# Altium PCB RemoteCtrl-V2.PcbDoc (part 1 of 4) (continued)
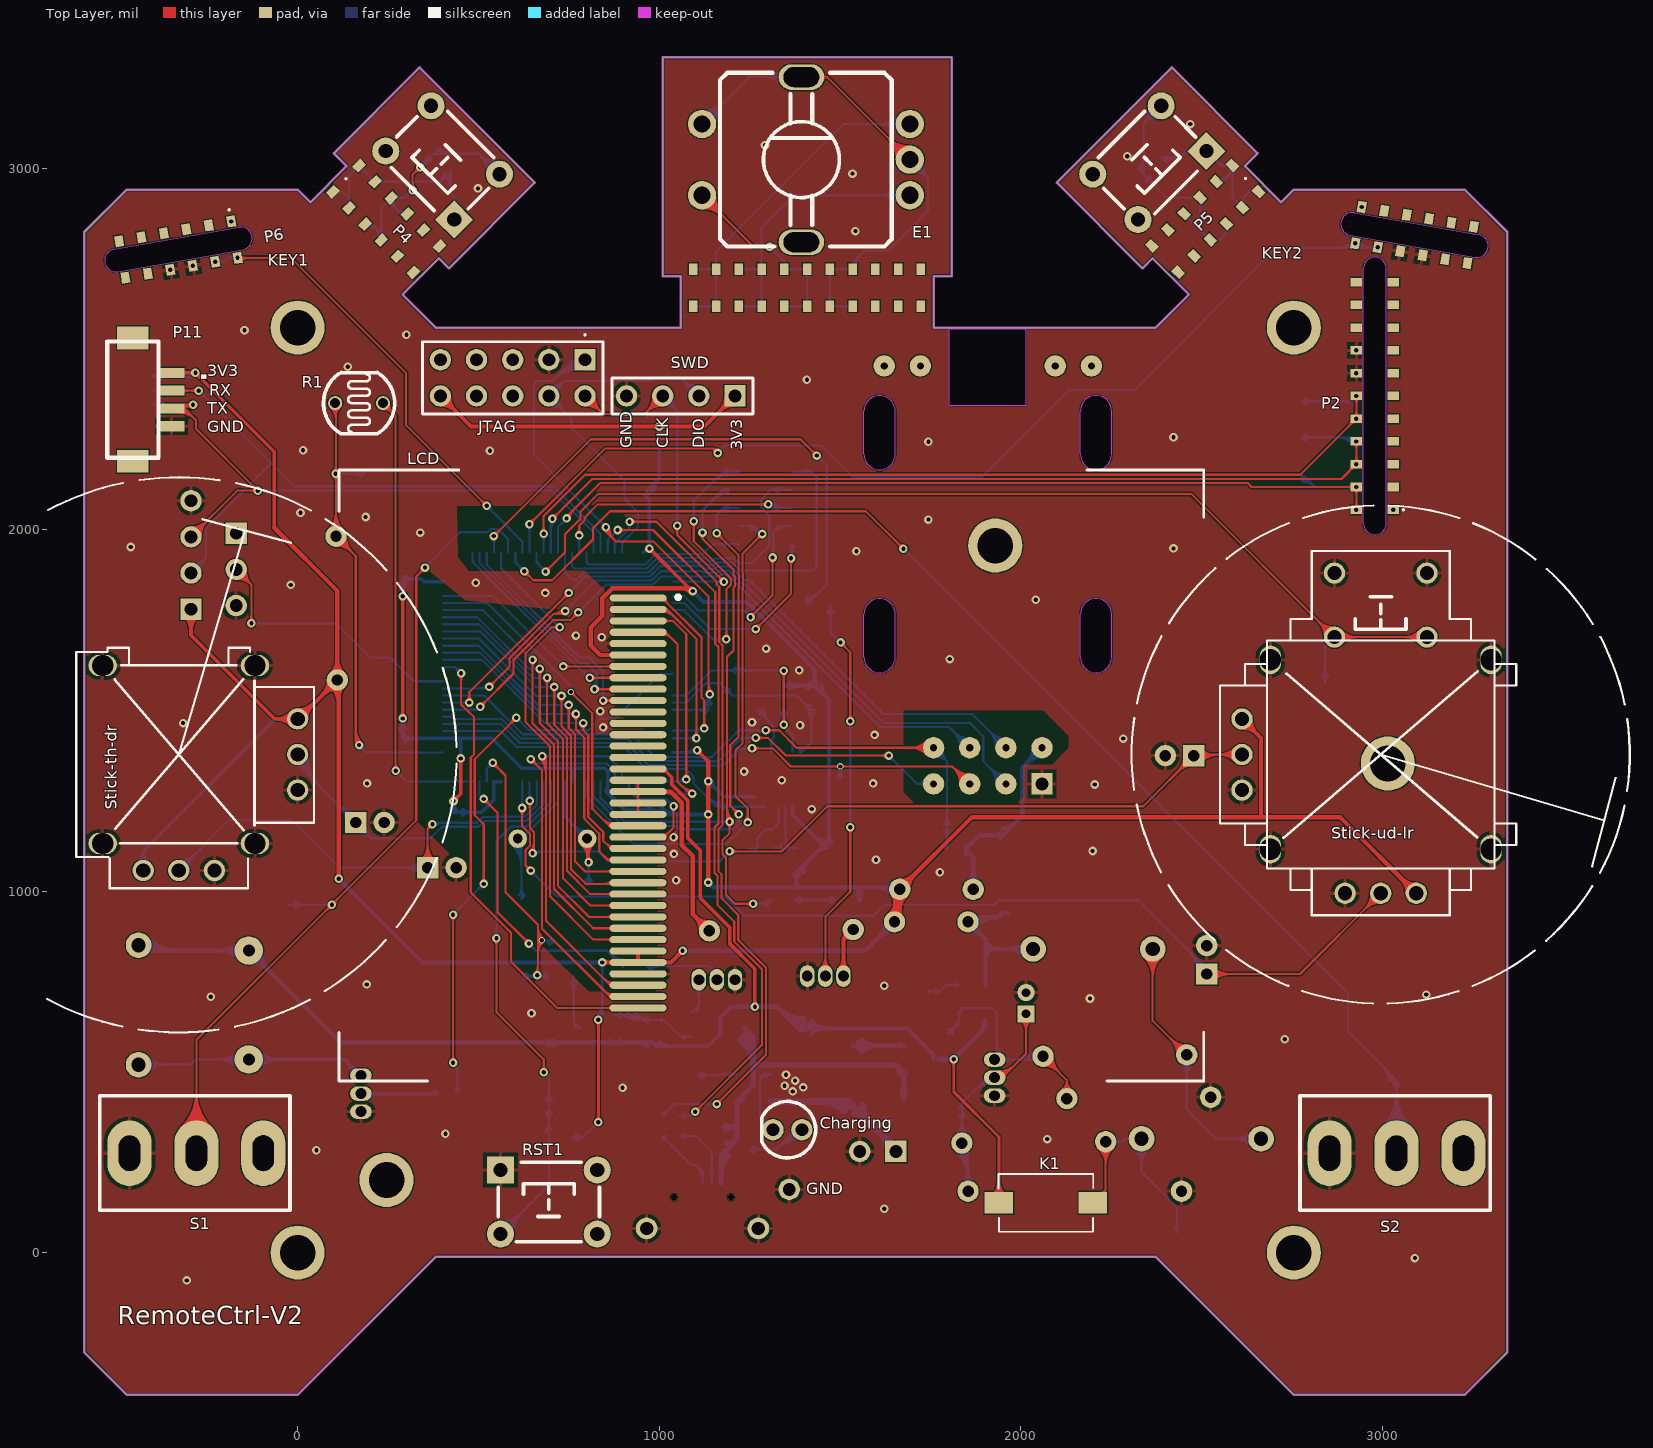
[diagram p0: Top Layer view]
## Footprints (in the part's own frame and the unit in brackets; to place one, negate y for a bottom-side part, rotate by r counter-clockwise, add the part's x,y. Pads: shape width x height; smd on the part's side, far side on the other; paste and mask are expansions set on the pad) (continued)
  round 1 hole 0.7: 1(-1.68,0) 2(1.68,0)
  silkscreen extent -2.5,-2.16 2.5,2.16, body extent -2.63,-2.1 2.47,2.2, height 1.21
PIN1*1 [mm]
  round 1.5 hole 0.9: 1(0,0)
PIN3*1 [mm]
  rect 1.5x1.5 hole 0.9: 1(0,0)
  round 1.5 hole 0.9: 2(2.54,0) 3(5.08,0)
  silkscreen extent -1.27,-1.27 6.12,1.27, body extent -1.27,-1.27 6.1,1.27, height 4
PIN4*1 [mm]
  rect 1.5x1.5 hole 0.9: 1(0,0)
  round 1.5 hole 0.9: 2(2.54,0) 3(5.08,0) 4(7.62,0)
  silkscreen extent -1.27,-1.27 8.64,1.27, body extent -1.27,-1.27 8.64,1.27, height 4
PIN-HDR-2X5 [mm] "Connector; Header; 5x2 Position"
  rect 1.5x1.5 hole 0.9: 1(0,0)
  round 1.5 hole 0.9: 2(0,2.54) 3(2.54,0) 4(2.54,2.54) 5(5.08,0) 6(5.08,2.54) 7(7.62,0) 8(7.62,2.54) 9(10.16,0) 10(10.16,2.54)
  silkscreen extent -1.27,-1.81 11.43,3.81, body extent -1.27,-1.27 11.43,3.81, height 7.58
PIN-SLOT-FMALE-2X6 [mm] "SLOT:1.6x9mm pinDis1.6mm,和PIN-SLOT-MALE-2X6成90度直插"
  rect 0.6x0.8 hole 0.3: 1(-4,-1.3)
  rect 0.6x0.8 all layers, no hole: 2(-4,1.3) 3(-2.4,-1.3) 4(-2.4,1.3) 5(-0.8,-1.3) 6(-0.8,1.3) 7(0.8,-1.3) 8(0.8,1.3) 9(2.4,-1.3) 10(2.4,1.3) 11(4,-1.3) 12(4,1.3)
  rrect50% 1x1 hole 1.6 slot 10.5 at 0 deg unplated: SLOT(0,0)
  Keep-Out Layer lines w0.004: 4.45,-0.8 ccw(c4.45,0) 4.45,0.8 -4.45,0.8 ccw(c-4.45,0) -4.45,-0.8 4.45,-0.8
  silkscreen extent -4.06,-2.18 -3.94,-2.07, body extent -4.19,-1.65 -3.81,-1.02, height 0.02
PIN-SLOT-FMALE-2X11 [mm] "SLOT:1.6x9mm pinDis1.6mm;和PIN-SLOT-MALE-2X11成90度直插"
  rect 0.6x0.8 hole 0.3: 1(-8,-1.3)
  rect 0.6x0.8 all layers, no hole: 2(-8,1.3) 3(-6.4,-1.3) 4(-6.4,1.3) 5(-4.8,-1.3) 6(-4.8,1.3) 7(-3.2,-1.3) 8(-3.2,1.3) 9(-1.6,-1.3) 10(-1.6,1.3) 11(0,-1.3) 12(0,1.3) 13(1.6,-1.3) 14(1.6,1.3) 15(3.2,-1.3) 16(3.2,1.3) 17(4.8,-1.3) 18(4.8,1.3) 19(6.4,-1.3) 20(6.4,1.3) 21(8,-1.3) 22(8,1.3)
  rrect50% 0x0 hole 1.6 slot 19.5 at 0 deg unplated: SLOT(0,0)
  Keep-Out Layer lines w0.004: -8.95,0.8 ccw(c-8.95,0) -8.95,-0.8 8.95,-0.8 ccw(c8.95,0) 8.95,0.8 -8.95,0.8
  silkscreen extent -8.05,-2.05 -7.95,-1.95, body extent -8.25,-1.65 -7.75,-1.02, height 0.02
PIN-SLOT-MALE-2X6 [mm] "SLOT:1.6x9mm pinDis1.6mm;和PIN-SLOT-FMALE-2X6成90度直插"
  rect 0.6x0.8 smd: 1(-4,1.3) 1(-4,-1.3) 3(-2.4,1.3) 3(-2.4,-1.3) 5(-0.8,1.3) 5(-0.8,-1.3) 7(0.8,1.3) 7(0.8,-1.3) 9(2.4,1.3) 9(2.4,-1.3) 11(4,1.3) 11(4,-1.3)
  rect 0.6x0.8 smd far side: 2(-4,1.3) 2(-4,-1.3) 4(-2.4,-1.3) 4(-2.4,1.3) 6(-0.8,1.3) 6(-0.8,-1.3) 8(0.8,1.3) 8(0.8,-1.3) 10(2.4,1.3) 10(2.4,-1.3) 12(4,1.3) 12(4,-1.3)
  silkscreen extent -4.05,-0.05 -3.95,0.05, body extent -4.19,-1.65 -3.81,-1.02, height 0.05
PIN-SLOT-MALE-2x11 [mm] "SLOT:1.6x18mm pinDis1.6mm;和PIN-SLOT-FMALE-2X11成90度直插"
  rect 0.6x0.8 smd: 1(-8,-1.3) 1(-8,1.3) 3(-6.4,-1.3) 3(-6.4,1.3) 5(-4.8,-1.3) 5(-4.8,1.3) 7(-3.2,-1.3) 7(-3.2,1.3) 9(-1.6,-1.3) 9(-1.6,1.3) 11(0,-1.3) 11(0,1.3) 13(1.6,-1.3) 13(1.6,1.3) 15(3.2,-1.3) 15(3.2,1.3) 17(4.8,-1.3) 17(4.8,1.3) 19(6.4,-1.3) 19(6.4,1.3) 21(8,-1.3) 21(8,1.3)
  rect 0.6x0.8 smd far side: 2(-8,-1.3) 2(-8,1.3) 4(-6.4,-1.3) 4(-6.4,1.3) 6(-4.8,-1.3) 6(-4.8,1.3) 8(-3.2,-1.3) 8(-3.2,1.3) 10(-1.6,-1.3) 10(-1.6,1.3) 12(0,-1.3) 12(0,1.3) 14(1.6,-1.3) 14(1.6,1.3) 16(3.2,-1.3) 16(3.2,1.3) 18(4.8,-1.3) 18(4.8,1.3) 20(6.4,-1.3) 20(6.4,1.3) 22(8,-1.3) 22(8,1.3)
  silkscreen extent -8.05,-0.05 -7.95,0.05, body extent -8.25,-1.65 -7.75,-1.02, height 0.02
QFN-24 [mm]
  oct 0.28x0.6 smd: 1(-1.25,-1.95)
  oval 0.28x0.6 smd: 2(-0.75,-1.95) 3(-0.25,-1.95) 4(0.25,-1.95) 5(0.75,-1.95) 6(1.25,-1.95) 13(1.25,1.95) 14(0.75,1.95) 15(0.25,1.95) 16(-0.25,1.95) 17(-0.75,1.95) 18(-1.25,1.95)
  oval 0.6x0.28 smd: 7(1.95,-1.25) 8(1.95,-0.75) 9(1.95,-0.25) 10(1.95,0.25) 11(1.95,0.75) 12(1.95,1.25) 19(-1.95,1.25) 20(-1.95,0.75) 21(-1.95,0.25) 22(-1.95,-0.25) 23(-1.95,-0.75) 24(-1.95,-1.25)
  rrect10% 0.6x2 smd: 25(-0.9,0.2)
  rrect10% 0.6x0.6 smd rot 45: 25(-0.787,-0.787)
  rrect10% 2x0.6 smd: 25(0.2,-0.9)
  rrect5% 2x2 smd: 25(0.2,0.2)
  silkscreen extent -2.06,-2.06 2.03,2.03, body extent -2,-2 2,2, height 0.9
RB2.0*5*11-H [mm] "脚距2mm直径5mm高度11mm"
  rect 1.5x1.5 hole 0.8: A(-1,0)
  round 1.5 hole 0.8: C(1,0)
  silkscreen extent -2.54,1.1 2.55,12.83, body extent -2.5,-0.25 2.51,12.96, height 5.02
"SH1.0 S-W-4P" [mm]
  rect 1.2x1.8 smd: 0(-2.8,0.75) 0(2.8,0.75)
  rect 0.6x1.55 smd: 1(1.5,4.325) 2(0.5,4.325) 3(-0.5,4.325) 4(-1.5,4.325)
  silkscreen extent -3,0 3,4.89, body extent -3,0 3,4.95, height 2.92
SMA-S(DO-214AC) [mil] "小焊盘SMA，塑料本体2.5x4mm"
  rect 63x78.74 smd: A(-8,0) C(157,0)
  silkscreen extent 40,-35 110,35, body extent -16,-53 166,53, height 94
SOT23-5 [mm]
  rect 0.5x1 smd: 1(-0.965,-1.27) 2(-0.015,-1.27) 3(0.935,-1.27) 4(0.935,1.13) 5(-0.965,1.13)
  silkscreen extent -1.1,-0.5 1.1,0.4, body extent -1.47,-1.47 1.43,1.33, height 1.09
SOT-23 [mm] "左下角起逆时针1,2,3,(小23)，塑封宽度1.3mm"
  rect 0.6x1 smd: 1(-0.946,-1.196) 2(0.959,-1.196) 3(0.005,1.214)
  silkscreen extent -1.45,0.12 1.47,1.26, body extent -1.47,-1.35 1.53,1.29, height 1.08
SWITCH_N [mm]
  oval 4.6x3.1 hole 1.5 slot 2.51 at 0 deg: 1(0,4.7)
  oval 4.6x3.1 hole 1.5 slot 2.5 at 0 deg: 2(0,0) 3(0,-4.7)
  silkscreen extent -4.04,-6.78 4.01,6.58, body extent -3.99,-6.65 4.01,6.55, height 32.86
TAJ-A(1206)[3216] [mm] "tantalum cap,1206[3216]1.6mmx3.2mmx1.8mm"
  rect 1.2x1.35 smd: A(-1.5,0) C(1.5,0)
  silkscreen extent -0.6,-0.63 0.6,0.63, body extent -1.7,-0.84 1.7,0.84, height 1.71
TEST_P [mil] "PCB上的测试点"
  round 30 smd: 1(0,0)
TO-92 [mil]
  oval 40x60 hole 30: 1(-50,0) 2(0,0) 3(50,0)
  silkscreen extent -98,-59 98,98, body extent -96,-58 100,100, height 276
USB_MICRO-DIP [mm] "直插+贴片型micro USB"
  oval 0.4x1.5 smd: D+(0,5.15) D-(-0.65,5.15) GND(1.3,5.15) ID(0.65,5.15) VBUS(-1.3,5.15)
  rect 3x3 / inner rect 3x3 / far side round 1.524 hole 0.94: GND(-3.925,1.95) GND(3.925,1.95)
  silkscreen extent -1.91,0 1.91,0, body extent -3.97,-0.62 4.23,4.81, height 2.64
XH2_54-2P-R [mm] "2P针座连接器90度"
  rect 1.5x1.5 hole 0.9: 1(0,0)
  round 1.5 hole 0.9: 2(2.54,0)
  silkscreen extent -2.48,-1.01 5.02,0.39, body extent -2.48,-7.25 5.02,0.39, height 5.95
XTAL-49S_P [mm] "49S直插晶振4.88MM脚距"
  round 1.3 hole 0.7: 1(-2.44,0) 2(2.44,0)
  silkscreen extent -5.56,-2.3 5.39,2.3, body extent -5.75,-2.33 5.75,2.33, height 3.5

## Part data
BAT_3.7V: "Header, 2-Pin"
C1 C2 C3 C4 C7 C8 C9 C10 C11 C14 C17 C18 C19 C20 C21 C22 C23 C24 C25 C26 C27 C28 C29: library part Cap, "无极性Cap"
C5 C12 C13: library part Cap_p, "Filter Cap"
C6: library part Cap_p, "filter cap"
C15 C16: library part Cap_p, "有极性Cap"
C30: library part Cap, "Cap used compress sharp edge of the key buttom"
D1 D2: library part DIODE, "Diode"
D3 D4 D5: "Diode"
E1: "12X12带按键旋转编码器"
GND: library part "PIN HDR 1x1"
JTAG: library part "PIN HDR 2X5", "2x5pin"
LCD: library part LCD-2.4Inch
M1: "无线模块E01-ML01DP5"
P1 P2: "Header, 11-Pin, Dual row"
P3: library part "PIN HDR 2X5", "2x5pin backup pin"
P4 P5 P6 P7: library part "PIN HDR 2X6", "2X6PIN"
P8: library part "PIN HDR 1X3"
P9 P10 P11 SWD: "1x4-Pin-connector"
P12 P13 P14 P15 P16 P17 P18 P19 P20 P21 P22 v_bus v_pwr: library part TEST, "信号测试点"
Q1 Q3: library part MOS-P, "PMOS"
Q2 Q4 Q5 Q6: "NPN三极管"
R1: "Photoresistor,光敏电阻"
R2 R3 R11 R12 R14 R15 R16 R17: library part RES, "Resistor"
R4: library part Res, "Resistor used pull gate high"
R5 R7 R8 R9 R10 R13 R22 R23 R_LED2: library part Res, "Resistor"
R6: library part Res, "Resistor ctrld the charge amps,see chip reference"
R18: library part Res, "Pull Resistor"
R19: library part RES, "LED current limit Resistor"
R20 R21: library part RES, "NPN drive Resistor"
R24: library part RES, "Pull Resistor 芯片内部200k上拉不够"
R25 R26: library part Res, "IIC Pull Resistor"
Rusb+ Rusb-: library part Res, "USB Resistor"
S1 S2: library part SW-SPDT
Stick-ud-lr: library part JoyStick-Key
U3: "TP4065-3.7v锂电充电管理芯片"
U5: "V-100PIN,8-64KFLASH,T-LQFP"
U6: "2PIN(非SMD)晶振"
U8: "dscrps三轴陀螺仪加速度计"

## Free pads (board coordinates)
  round 149.61 hole 98.43: P$1(0,0) P$1(0,2559.06) P$1(246,201) P$1(1930,1956) P$1(2755.9,0) P$1(2755.9,2559.06) P$1(3016,1353)

## Via types
v1: diameter 23.62, hole 11.81, Top Layer to Bottom Layer, 200 vias
v2: diameter 17.72, hole 11.81, Top Layer to Bottom Layer, 3 vias
v3: diameter 17, hole 17, Top Layer to Bottom Layer, tented both sides, 2 vias

## Nets (pads, with @x,y where several pads share a name; then routed paths per layer and width w, separated by ;. In a path a pad name is that pad's centre, name@x,y a point inside that pad or via, vN(x,y) a via of type N, cw(c..) or ccw(c..) an arc to the next point about the centre after c; other vN are vias at no path point)
3V3: C14.1 C18.1 C19.1 C22.1 C24.2 C25.2 C28.2 JTAG.10 LCD.6 LCD.32 LCD.33 LED2.A P9.1 P10.1 P11.1 R3.2 R11.2 R12.1 R18.1 R22.1 R25.1 R26.1 Stick-th-dr.1 Stick-th-dr.6 Stick-ud-lr.1 Stick-ud-lr.6 SWD.1 U5.6 U5.11 U5.21 U5.22 U5.28 U5.50 U5.75 U5.100 U8.8 U8.13 | length 18263.3
  Top Layer w8: v1@826.48,366.52 ccw(c813.14,379.86) 832,379.86 ccw(c850.86,379.86) v1@837.52,366.52 ; v1@826.48,638.48 cw(c813.14,625.14) 832,625.14 cw(c850.86,625.14) v1@837.52,638.48 ; v1(832,361) v1(832,644)
  Top Layer w10: P11.1@-349,2433.82 v1(-282.8,2433.82) -64.8,2215.82 -64.8,2005 ; P11.1@-321.14,2427.45 cw(c-305.77,2412.09) -305.77,2433.82 cw(c-305.77,2455.55) P11.1@-321.14,2440.18 ; P10.1@-312.34,1762.66 cw(c-354.22,1720.78) -295,1720.78 cw(c-235.79,1720.79) P10.1@-277.66,1762.66 ; P10.1@-305.27,1769.73 cw(c-330.07,1744.93) -295,1744.93 cw(c-259.93,1744.93) P10.1@-284.73,1769.73 ; P10.1@-295,1780 -295,1708 -63.44,1476.44 Stick-th-dr.6@0.05,1476.44 ; v1@-287.62,2429 ccw(c-299.25,2417.38) -299.25,2433.82 ccw(c-299.25,2450.26) v1@-287.62,2438.64 ; v1@-282.8,2427.01 cw(c-282.8,2410.57) -271.18,2422.19 cw(c-259.55,2433.82) v1@-275.99,2433.82 ; Stick-th-dr.6@-17.29,1459.1 ccw(c-59.16,1417.23) -59.16,1476.44 ccw(c-59.16,1535.66) Stick-th-dr.6@-17.29,1493.78 ; Stick-th-dr.6@-10.22,1466.17 ccw(c-35.02,1441.37) -35.02,1476.44 ccw(c-35.02,1511.51) Stick-th-dr.6@-10.22,1486.71 ; v1@285.85,1482.48 ccw(c274.22,1494.11) 290.66,1494.11 ccw(c307.11,1494.11) v1@295.48,1482.48 ; v1@285.85,1810.85 cw(c274.22,1799.22) 290.66,1799.22 cw(c307.11,1799.22) v1@295.48,1810.85 ; v1(290.66,1477.66) v1(290.66,1815.66) ; JTAG.10@395,2345.47 cw(c395,2286.26) 436.87,2328.13 cw(c478.74,2370) JTAG.10@419.53,2370 ; JTAG.10@395,2355.47 cw(c395,2320.4) 419.8,2345.2 cw(c444.6,2370) JTAG.10@409.53,2370 ; JTAG.10@395,2370 479.61,2285.39 v1(1000.39,2285.39) 1125.4,2285.39 SWD.1@1210,2370 ; v1(431.2,1249.05) 451.2,1269.05 v1(451.2,1367.05) ; v1@431.2,1255.86 ccw(c431.2,1272.3) 442.82,1260.67 ccw(c454.45,1249.05) v1@438.01,1249.05 ; v1@446.38,1362.23 cw(c434.75,1350.6) 451.2,1350.6 cw(c467.64,1350.6) v1@456.01,1362.23 ; LCD.33@938.35,806.22 ccw(c930.08,814.49) 941.77,814.49 ccw(c953.46,814.49) LCD.33@945.19,806.22 ; LCD.32@938.35,830.87 cw(c930.08,822.6) 941.77,822.6 cw(c953.46,822.6) LCD.32@945.19,830.87 ; LCD.33@941.77,802.8 LCD.32@941.77,834.29 ; v1@973.2,1940.99 cw(c973.2,1924.55) 984.82,1936.18 cw(c996.45,1947.8) v1@980.01,1947.8 ; v1(973.2,1947.8) 1083,1838 ; v1@995.58,2280.58 ccw(c983.95,2268.95) 983.95,2285.39 ccw(c983.95,2301.84) v1@995.58,2290.21 ; v1@1005.21,2280.58 cw(c1016.84,2268.95) 1016.84,2285.39 cw(c1016.84,2301.84) v1@1005.21,2290.21 ; 1077.96,1843.04 ccw(c1093,1858.08) v1@1093,1836.81 ; 1082.79,1838.21 cw(c1074.57,1830) v1@1086.19,1830 ; v1(1093,1830) 1091,1830 1083,1838 ; v1@1105,1383.19 cw(c1105,1366.75) 1116.63,1378.37 cw(c1128.25,1390) v1@1111.81,1390 ; v1(1105,1390) 1136.14,1358.86 ; SWD.1@1185.47,2370 cw(c1126.25,2370) 1168.13,2328.13 cw(c1210,2286.26) SWD.1@1210,2345.47 ; SWD.1@1195.47,2370 cw(c1160.4,2370) 1185.2,2345.2 cw(c1210,2320.4) SWD.1@1210,2355.47 ; Stick-ud-lr.6@2612.36,1451.81 cw(c2612.36,1392.6) 2654.23,1434.47 cw(c2696.1,1476.34) Stick-ud-lr.6@2636.88,1476.34 ; Stick-ud-lr.6@2612.36,1461.81 cw(c2612.36,1426.74) 2637.15,1451.54 cw(c2661.96,1476.34) Stick-ud-lr.6@2626.88,1476.34 ; Stick-ud-lr.6@2612.36,1476.34 2665,1423.69 2665,1204 ; 1083,1838 cw(c1075.3,1830.3) 1086.19,1830.11 ccw(c1075.3,1830.3) 1083,1838 ; 1083,1838 ccw(c1088.06,1843.05) 1090.59,1836.37 cw(c1088.06,1843.05) 1083,1838
  Top Layer w12: -64.8,2005 110,1830.2 R3.2@110,1584.21 ; Stick-th-dr.6@0.05,1476.44 2.23,1476.44 R3.2@110,1584.21 ; Stick-th-dr.6@0.05,1487.97 ccw(c0.05,1521.05) 23.44,1497.66 ; Stick-th-dr.6@0.05,1499.97 ccw(c0.05,1562.02) 43.93,1518.14 ; Stick-th-dr.6@23.58,1476.44 cw(c75.13,1476.44) 38.68,1512.89 ; R3.2@86.47,1584.21 cw(c29.67,1584.21) 69.84,1544.05 cw(c110,1503.89) R3.2@110,1560.69 ; R3.2@93.36,1567.58 cw(c43.55,1517.76) 114,1517.76 ; R3.2@93.36,1600.85 ccw(c53.2,1641.01) 110,1641.01 ccw(c166.8,1641.01) R3.2@126.64,1600.85 ; R3.2@101.85,1576.06 cw(c72.52,1546.73) 114,1546.73 ; v1@109.89,1038.11 ccw(c99.97,1048.03) 114,1048.03 ccw(c128.03,1048.03) v1@118.11,1038.11 ; v1(114,1034) 114,1580.21 R3.2@110,1584.21 ; 114,1537.07 cw(c157.15,1537.07) R3.2@126.64,1567.58 ; v1(842.8,802.8) LCD.33@941.77,802.8 1032.8,802.8 v1(1065,835) ; v1@846.9,798.69 cw(c856.82,788.77) 856.82,802.8 cw(c856.82,816.82) v1@846.9,806.9 ; LCD.6@941.77,1653.19 837.37,1653.19 811,1679.56 811,1729 843,1761 843,1810.27 870.73,1838 1083,1838 ; v1@1059.19,835 cw(c1045.16,835) 1055.08,825.08 cw(c1065,815.16) v1@1065,829.19 ; 1059.66,1838 cw(c1059.66,1796.66) v1@1088.89,1825.89 ; v1@1131.84,1208.08 cw(c1121.47,1197.7) 1136.14,1197.7 ; v1@1131.84,1216.3 ccw(c1121.47,1226.67) 1136.14,1226.67 ; v1@1132.03,1027.97 ccw(c1122.11,1037.89) 1136.14,1037.89 ccw(c1150.17,1037.89) v1@1140.25,1027.97 ; v1@1132.03,1300.03 cw(c1122.11,1290.11) 1136.14,1290.11 cw(c1150.17,1290.11) v1@1140.25,1300.03 ; v1@1132.03,1308.25 ccw(c1122.11,1318.17) 1136.14,1318.17 ccw(c1150.17,1318.17) v1@1140.25,1308.25 ; v1(1136.14,1023.86) v1(1136.14,1304.14) 1136.14,1358.86 ; 1136.14,1198.62 cw(c1149.52,1198.62) v1@1140.06,1208.08 ; 1136.14,1225.76 ccw(c1149.52,1225.76) v1@1140.06,1216.3 ; R11.2@1634.7,931.82 ccw(c1563.22,1004.99) R12.1@1665.51,1004.99 ; R11.2@1643.09,923.24 ccw(c1591.07,976.49) R12.1@1665.51,976.49 ; R12.1@1645.76,992.21 cw(c1605.62,966.23) 1651.81,953.85 cw(c1698,941.47) R12.1@1676.23,984.05 ; R12.1@1648.88,988.36 cw(c1608.71,948.2) 1665.51,948.2 cw(c1722.31,948.2) R12.1@1682.15,988.36 ; R12.1@1649.42,987.84 cw(c1625.14,961.95) 1659.51,953.13 ; R11.2@1651.14,915 1665.51,929.36 R12.1@1665.51,1005 ; R11.2@1651.47,914.66 ccw(c1618.91,948) 1665.51,948 ; R12.1@1657.63,996.59 cw(c1640.96,978.82) 1664.56,972.77 ; 1662.51,964.79 cw(c1694.09,956.69) R12.1@1677.49,984.75 ; R12.1@1665.51,1028.53 ccw(c1665.51,1085.33) 1705.68,1045.16 ccw(c1745.84,1005) R12.1@1689.04,1005 ; Stick-ud-lr.1@3071.11,994.05 ccw(c3014.31,994.05) 3054.48,1034.22 ccw(c3094.64,1074.38) Stick-ud-lr.1@3094.64,1017.58 ; Stick-ud-lr.1@3094.64,994.05 2884.69,1204 2665,1204 1864.51,1204 R12.1@1665.51,1005
  Bottom Layer w8: R18.1@760.99,318.86 789.86,318.86 v1(832,361) ; R18.1@769.3,310.55 cw(c789.36,290.5) 789.36,318.86 cw(c789.36,347.22) R18.1@769.3,327.16 ; v1@824.19,361 cw(c805.33,361) 818.67,347.67 cw(c832,334.33) v1@832,353.19 ; v1@826.48,649.52 ccw(c787.08,688.92) 842.8,688.92 ; v1(832,644) 842.8,654.8 v1(842.8,802.8) ; v1@832.13,643.87 ccw(c806.39,669.61) 842.8,669.61 ; v1@837.27,797.27 cw(c823.94,783.94) 842.8,783.94 cw(c861.65,783.94) v1@848.32,797.27 ; v1@970.75,1940.39 ccw(c966.28,1926.88) U5.75@956.22,1936.94 967.09,1947.8 v1(973.2,1947.8) ; U5.100@1036.94,1383.78 1106.22,1383.78 1105,1385 v1(1105,1390) ; 1071.12,1383.78 ccw(c1071.12,1423.88) v1@1099.48,1395.52 ; 1090.44,1383.78 ccw(c1090.44,1404.56) v1@1105.13,1389.87
  Bottom Layer w10: Stick-th-dr.1@-442.96,1075.87 ccw(c-471.88,1110.05) -427.11,1110.05 ; Stick-th-dr.1@-436.5,1068.24 ccw(c-453.63,1088.48) -427.11,1088.48 ccw(c-400.59,1088.48) Stick-th-dr.1@-417.73,1068.24 ; Stick-th-dr.1@-427.11,1057.15 -427.11,1110.05 ; Stick-th-dr.1@-411.26,1075.87 cw(c-382.34,1110.04) -427.11,1110.04 ; P9.1@-399.73,2424.05 -292.57,2424.05 v1(-282.8,2433.82) ; P9.1@-376.21,2419.24 cw(c-364.58,2407.61) -364.58,2424.05 cw(c-364.58,2440.5) P9.1@-376.21,2428.87 ; -322.82,2424.05 ccw(c-322.82,2473.84) v1@-287.62,2438.64 ; -298.68,2424.05 ccw(c-298.68,2449.7) v1@-280.55,2431.56 ; Stick-th-dr.6@-17.29,1459.1 ccw(c-59.16,1417.23) -59.16,1476.44 ccw(c-59.16,1535.66) Stick-th-dr.6@-17.29,1493.78 ; Stick-th-dr.6@-10.22,1466.17 ccw(c-35.02,1441.37) -35.02,1476.44 ccw(c-35.02,1511.51) Stick-th-dr.6@-10.22,1486.71 ; Stick-th-dr.6@0.05,1476.44 -60.72,1476.44 -427.11,1110.05 ; C25.2@283.06,1447.68 ccw(c264.71,1466.03) 290.66,1466.03 ccw(c316.61,1466.03) C25.2@298.26,1447.68 ; C24.2@283.06,1847.05 cw(c264.71,1828.7) 290.66,1828.7 cw(c316.61,1828.7) C24.2@298.26,1847.05 ; v1@285.34,1473.42 cw(c271.76,1462.59) 288.54,1458.09 ; v1@285.85,1472.85 cw(c274.22,1461.22) 290.66,1461.22 cw(c307.11,1461.22) v1@295.48,1472.85 ; v1@285.85,1820.48 ccw(c274.22,1832.11) 290.66,1832.11 ccw(c307.11,1832.11) v1@295.48,1820.48 ; v1(290.66,1477.66) C25.2@290.66,1430.83 290.66,1423.15 441.2,1423.15 ; v1(290.66,1815.66) C24.2@290.66,1863.9 342.2,1863.9 349.87,1856.22 U5.50@403.06,1856.22 ; 292.79,1458.09 cw(c309.56,1462.59) v1@295.99,1473.42 ; C25.2@298.26,1413.98 cw(c320.42,1391.82) 320.42,1423.15 ; C25.2@298.26,1429.18 ccw(c312.81,1443.72) 312.81,1423.15 ; C24.2@298.26,1856.3 cw(c316.61,1837.95) 316.61,1863.9 cw(c316.61,1889.85) C24.2@298.26,1871.5 ; C22.1@423.15,1225.6 ccw(c403.72,1245.03) v1@431.2,1245.03 ; v1@425.72,1245 cw(c414.42,1236.66) C22.1@427.98,1233.03 ; v1@426.38,1244.23 cw(c414.75,1232.6) 431.2,1232.6 cw(c447.64,1232.6) v1@436.01,1244.23 ; v1@427.79,1243.15 cw(c422.3,1233.64) 432.91,1236.48 ; 428.6,1235.32 cw(c441.05,1231.98) v1@434.6,1243.15 ; v1@431.2,1242.87 ccw(c455.62,1242.87) C22.1@438.35,1225.6 ; v1(431.2,1249.05) 431.2,1218 C22.1@440,1218 508.84,1218 542.83,1251.99 U5.22@542.83,1303.06 U5.21@562.52,1303.06 ; C22.1@433.75,1233.33 cw(c445.64,1236.52) v1@436.34,1244.58 ; v1@446.38,1371.86 ccw(c434.75,1383.49) 451.2,1383.49 ccw(c467.64,1383.49) v1@456.01,1371.86 ; v1(451.2,1367.05) 451.2,1413.15 441.2,1423.15 ; C22.1@456.85,1210.4 cw(c475.2,1192.05) 475.2,1218 cw(c475.2,1243.95) C22.1@456.85,1225.6 ; U5.11@759.37,1303.06 759.37,1335.87 ; 853.36,1336.64 cw(c841.05,1324.32) U5.6@858.46,1324.32 ; 857.79,1272.21 857.79,1332.21 ; U5.6@858.32,1323.91 ccw(c853.35,1327.76) 857.79,1332.21 ; C18.1@960.98,2096.69 cw(c957.89,2089.85) 965.39,2089.85 ; v1@968.38,1952.62 ccw(c956.75,1964.25) 973.2,1964.25 ccw(c989.64,1964.25) v1@978.01,1952.62 ; C18.1@969.81,2096.69 ccw(c972.9,2089.85) 965.39,2089.85 ; v1(973.2,1947.8) 973.2,2082.05 965.39,2089.85 ; C18.1@975.39,2106.49 cw(c999.54,2106.49) 982.47,2123.56 ; C18.1@985.39,2106.49 cw(c1033.68,2106.49) 999.54,2140.63 ; v1@995.58,2280.58 cw(c983.95,2268.95) 1000.39,2268.95 cw(c1016.84,2268.95) v1@1005.21,2280.58 ; v1(1000.39,2285.39) 1000.39,2141.49 C18.1@965.39,2106.49 965.39,2089.85 ; C14.1@1133.19,1302.93 ccw(c1154.01,1311.47) C14.1@1148.18,1289.73 ; C14.1@1136,1293 cw(c1136,1265.76) 1155.26,1285.02 ; C14.1@1136.14,1297.33 cw(c1136.14,1280.89) 1147.77,1292.51 cw(c1159.39,1304.14) C14.1@1142.95,1304.14 ; v1(1136.14,1304.14) 1179.49,1260.79 U8.13@1263.23,1260.79 ; C14.1@1137.3,1307.11 cw(c1129.97,1288.28) C14.1@1149.49,1293.51 ; C14.1@1146.75,1303.75 ccw(c1171.41,1303.75) 1153.97,1286.31 ; U8.8@1369.53,1233.23 1369.53,1210.47 1451.07,1128.93 1456.93,1128.93 C28.2@1470,1128.93 ; 1425.88,1154.12 ccw(c1460.75,1188.99) C28.2@1460.75,1139.68 ; 1442.95,1137.05 ccw(c1460.75,1154.85) C28.2@1460.75,1129.68 ; 441.2,1423.15 536.85,1423.15 620,1340 850,1340 857.79,1332.21
  Bottom Layer w12: v1@114,1028.19 cw(c114,1014.16) 123.92,1024.08 cw(c133.84,1034) v1@119.81,1034 ; v1(114,1034) 345.2,802.8 v1(842.8,802.8) ; v1@838.69,798.69 ccw(c828.77,788.77) 828.77,802.8 ccw(c828.77,816.82) v1@838.69,806.9 ; U5.6@856.13,1281.8 ccw(c875.27,1281.8) 861.73,1268.27 ; U5.6@856.34,1282.61 ccw(c863.97,1278.38) 857.79,1272.21 907,1223 C19.1@990,1223 1000.81,1212.19 v1(1135.95,1212.19) ; C19.1@973.86,1216.11 ccw(c957.21,1199.47) 957.21,1223 ccw(c957.21,1246.53) C19.1@973.86,1229.89 ; C19.1@997.66,1221.41 ccw(c1019.91,1243.66) 1019.91,1212.19 ; C19.1@1006.15,1229.89 ccw(c1048.88,1272.63) 1048.88,1212.19 ; v1(1065,835) 1571.15,835 R11.2@1651.14,915 ; v1@1069.11,830.89 cw(c1079.03,820.97) 1079.03,835 cw(c1079.03,849.03) v1@1069.11,839.11 ; v1@1093,1824.19 cw(c1093,1810.16) 1102.92,1820.08 cw(c1112.84,1830) v1@1098.81,1830 ; v1(1093,1830) 1123,1800 1243.26,1800 1430,1613.26 R26.1@1430,1568 ; v1@1131.84,1208.08 ccw(c1121.92,1198.16) 1121.92,1212.19 ccw(c1121.92,1226.22) v1@1131.84,1216.3 ; v1@1136.14,1018.05 cw(c1136.14,1004.02) 1146.06,1013.94 cw(c1155.98,1023.86) v1@1141.95,1023.86 ; v1(1136.14,1023.86) 1149,1011 1380,1011 ; R25.1@1345,1568 R26.1@1430,1568 ; R25.1@1361.15,1561.11 cw(c1377.79,1544.47) 1377.79,1568 cw(c1377.79,1591.53) R25.1@1361.15,1574.89 ; R22.1@1373.11,1045.11 cw(c1356.47,1028.47) 1380,1028.47 cw(c1403.53,1028.47) R22.1@1386.89,1045.11 ; R22.1@1399,1052 cw(c1444.87,1052) 1412.44,1084.43 ; R26.1@1413.86,1561.11 ccw(c1397.21,1544.47) 1397.21,1568 ccw(c1397.21,1591.53) R26.1@1413.86,1574.89 ; R26.1@1423.11,1574.89 ccw(c1406.47,1591.53) 1430,1591.53 ccw(c1453.53,1591.53) R26.1@1436.89,1574.89 ; 1437.59,1109.59 cw(c1460.75,1086.43) C28.2@1460.75,1119.18 ; C28.2@1446.81,1118.81 ccw(c1436.68,1128.93) C28.2@1451,1128.93 ; R26.1@1449,1568 ccw(c1494.87,1568) 1462.44,1535.56 ; C28.2@1456.93,1128.93 R22.1@1380,1052 1380,1011 ; C28.2@1463.11,1135.82 ccw(c1446.47,1152.46) 1470,1152.46 ccw(c1493.53,1152.46) C28.2@1476.89,1135.82 ; C28.2@1470,1128.93 1470,1528 R26.1@1430,1568 ; LED2.A@1547.04,991.15 ccw(c1530.39,1007.79) 1553.93,1007.79 ccw(c1577.46,1007.79) LED2.A@1560.82,991.15 ; LED2.A@1553.93,975 1553.93,1011 ; 1594.22,1011 cw(c1594.22,933.71) R12.1@1648.88,988.36 ; R11.2@1627.62,915 cw(c1570.82,915) 1610.98,874.83 cw(c1651.14,834.67) R11.2@1651.14,891.47 ; R12.1@1648.88,1021.64 cw(c1623.2,1047.31) 1623.2,1011 cw(c1623.19,962.68) R12.1@1657.36,996.85 ; R12.1@1651.14,990.63 R12.1@1665.51,1005 1659.51,1011 1553.93,1011 ; 1380,1011 1553.93,1011
BATSEN: P13.1 R8.1 R9.1 U5.23 | length 1465.8
  Top Layer w6: v1@540,1346.19 cw(c540,1324.92) 555.04,1339.96 cw(c570.08,1355) v1@548.81,1355 ; v1(540,1355) 575,1320 575,997 664.81,907.19 664.81,768.8 v1(663.01,766.99) ; v1@656.78,773.22 ccw(c637.38,792.62) 664.81,792.62 ; 664.81,783.91 ccw(c679.93,783.91) v1@669.24,773.22 ; 664.81,825.26 cw(c713.74,825.26) v2@679.14,859.86 ; 664.81,839.74 cw(c699.26,839.74) v2@674.9,864.1 ; 664.81,854.23 cw(c684.77,854.23) v2@670.66,868.34 ; 664.81,873.77 ccw(c684.77,873.77) v2@670.66,859.66 ; 664.81,888.26 ccw(c699.26,888.26) v2@674.9,863.9 ; 664.81,902.74 ccw(c713.74,902.74) v2@679.14,868.14
  Bottom Layer w6: U5.23@523.15,1303.06 523.15,1338.15 v1(540,1355) ; v1@531.19,1355 cw(c509.92,1355) 524.96,1339.96 cw(c540,1324.92) v1@540,1346.19 ; R9.1@623,765 v1@663.01,765 ; R9.1@627.77,760.23 cw(c639.29,748.71) 639.29,765 cw(c639.29,781.29) R9.1@627.77,769.77 ; R9.1@632.01,755.99 cw(c653.78,734.22) 653.78,765 cw(c653.78,795.78) R9.1@632.01,774.01 ; R9.1@636.92,765 ccw(c636.92,793.08) v1@656.78,773.22 ; 641.26,761.64 cw(c647.17,739.57) v1@658.6,759.36 ; 643.42,762.22 ccw(c638.33,781.24) v1@655.38,771.4 ; 645.61,767.19 ccw(c647.83,775.47) v1@655.32,771.29 ; 646.55,765 cw(c646.55,750.53) v1@656.78,760.76 ; v1@668.49,760.09 cw(c676.56,749.92) 679.92,762.46 cw(c683.27,775) v1@671.2,770.23 ; v1@669.24,760.76 cw(c684.28,745.72) 684.28,766.99 cw(c684.28,788.26) v1@669.24,773.22 ; v1@669.92,772.46 ccw(c677.16,778.19) 679.55,769.27 ; v1@670.64,762.59 cw(c682.92,755.5) 679.25,769.19 ; v1@671.04,766.99 ccw(c671.04,790.96) R8.1@687.99,774.01 ; 676.85,766.99 cw(c676.85,746.13) R8.1@692.07,760.39 ; v2@677.94,858.93 cw(c684.99,846.78) 688.62,860.35 cw(c692.26,873.92) v2@680.08,866.92 ; v2@679.14,859.86 cw(c689.14,849.86) 689.14,864 cw(c689.14,878.14) v2@679.14,868.14 ; 686,864 cw(c686,843.84) P13.1@702.96,854.75 ; R8.1@687.69,756.29 ccw(c663.01,733.18) v1(663.01,766.99) 695.01,766.99 R8.1@697,765 ; 693.51,864 ccw(c693.51,872.49) P13.1@699.51,866.49 ; P13.1@697.91,851.5 ccw(c675,836.75) v2(675,864) 702,864 P13.1@708,858
BATSEN_EN: R10.2 U5.24 | length 990.5
  Top Layer w6: v1@515,1246.19 cw(c515,1224.92) 530.04,1239.96 cw(c545.08,1255) v1@523.81,1255 ; v1(515,1255) 553,1217 553,942 v1(640,855) ; v1@631.19,855 ccw(c609.92,855) 624.96,870.04 ccw(c640,885.08) v1@640,863.81
  Bottom Layer w6: U5.24@503.46,1303.06 503.46,1266.54 v1(515,1255) ; v1@640,846.19 cw(c640,824.92) 655.04,839.96 cw(c670.08,855) v1@648.81,855 ; v1(640,855) 660,835 856.07,835 R10.2@901.07,790 ; 863.51,827.56 ccw(c901.07,865.11) R10.2@901.07,812 ; 873.76,817.31 ccw(c901.07,844.63) R10.2@901.07,806 ; 884,807.07 ccw(c901.07,824.14) R10.2@901.07,800 ; R10.2@885.85,805.22 cw(c879.88,799.25) R10.2@888.32,799.25